# Altium PCB pcb_AGV_Control.PcbDoc (part 2 of 2) (continued)
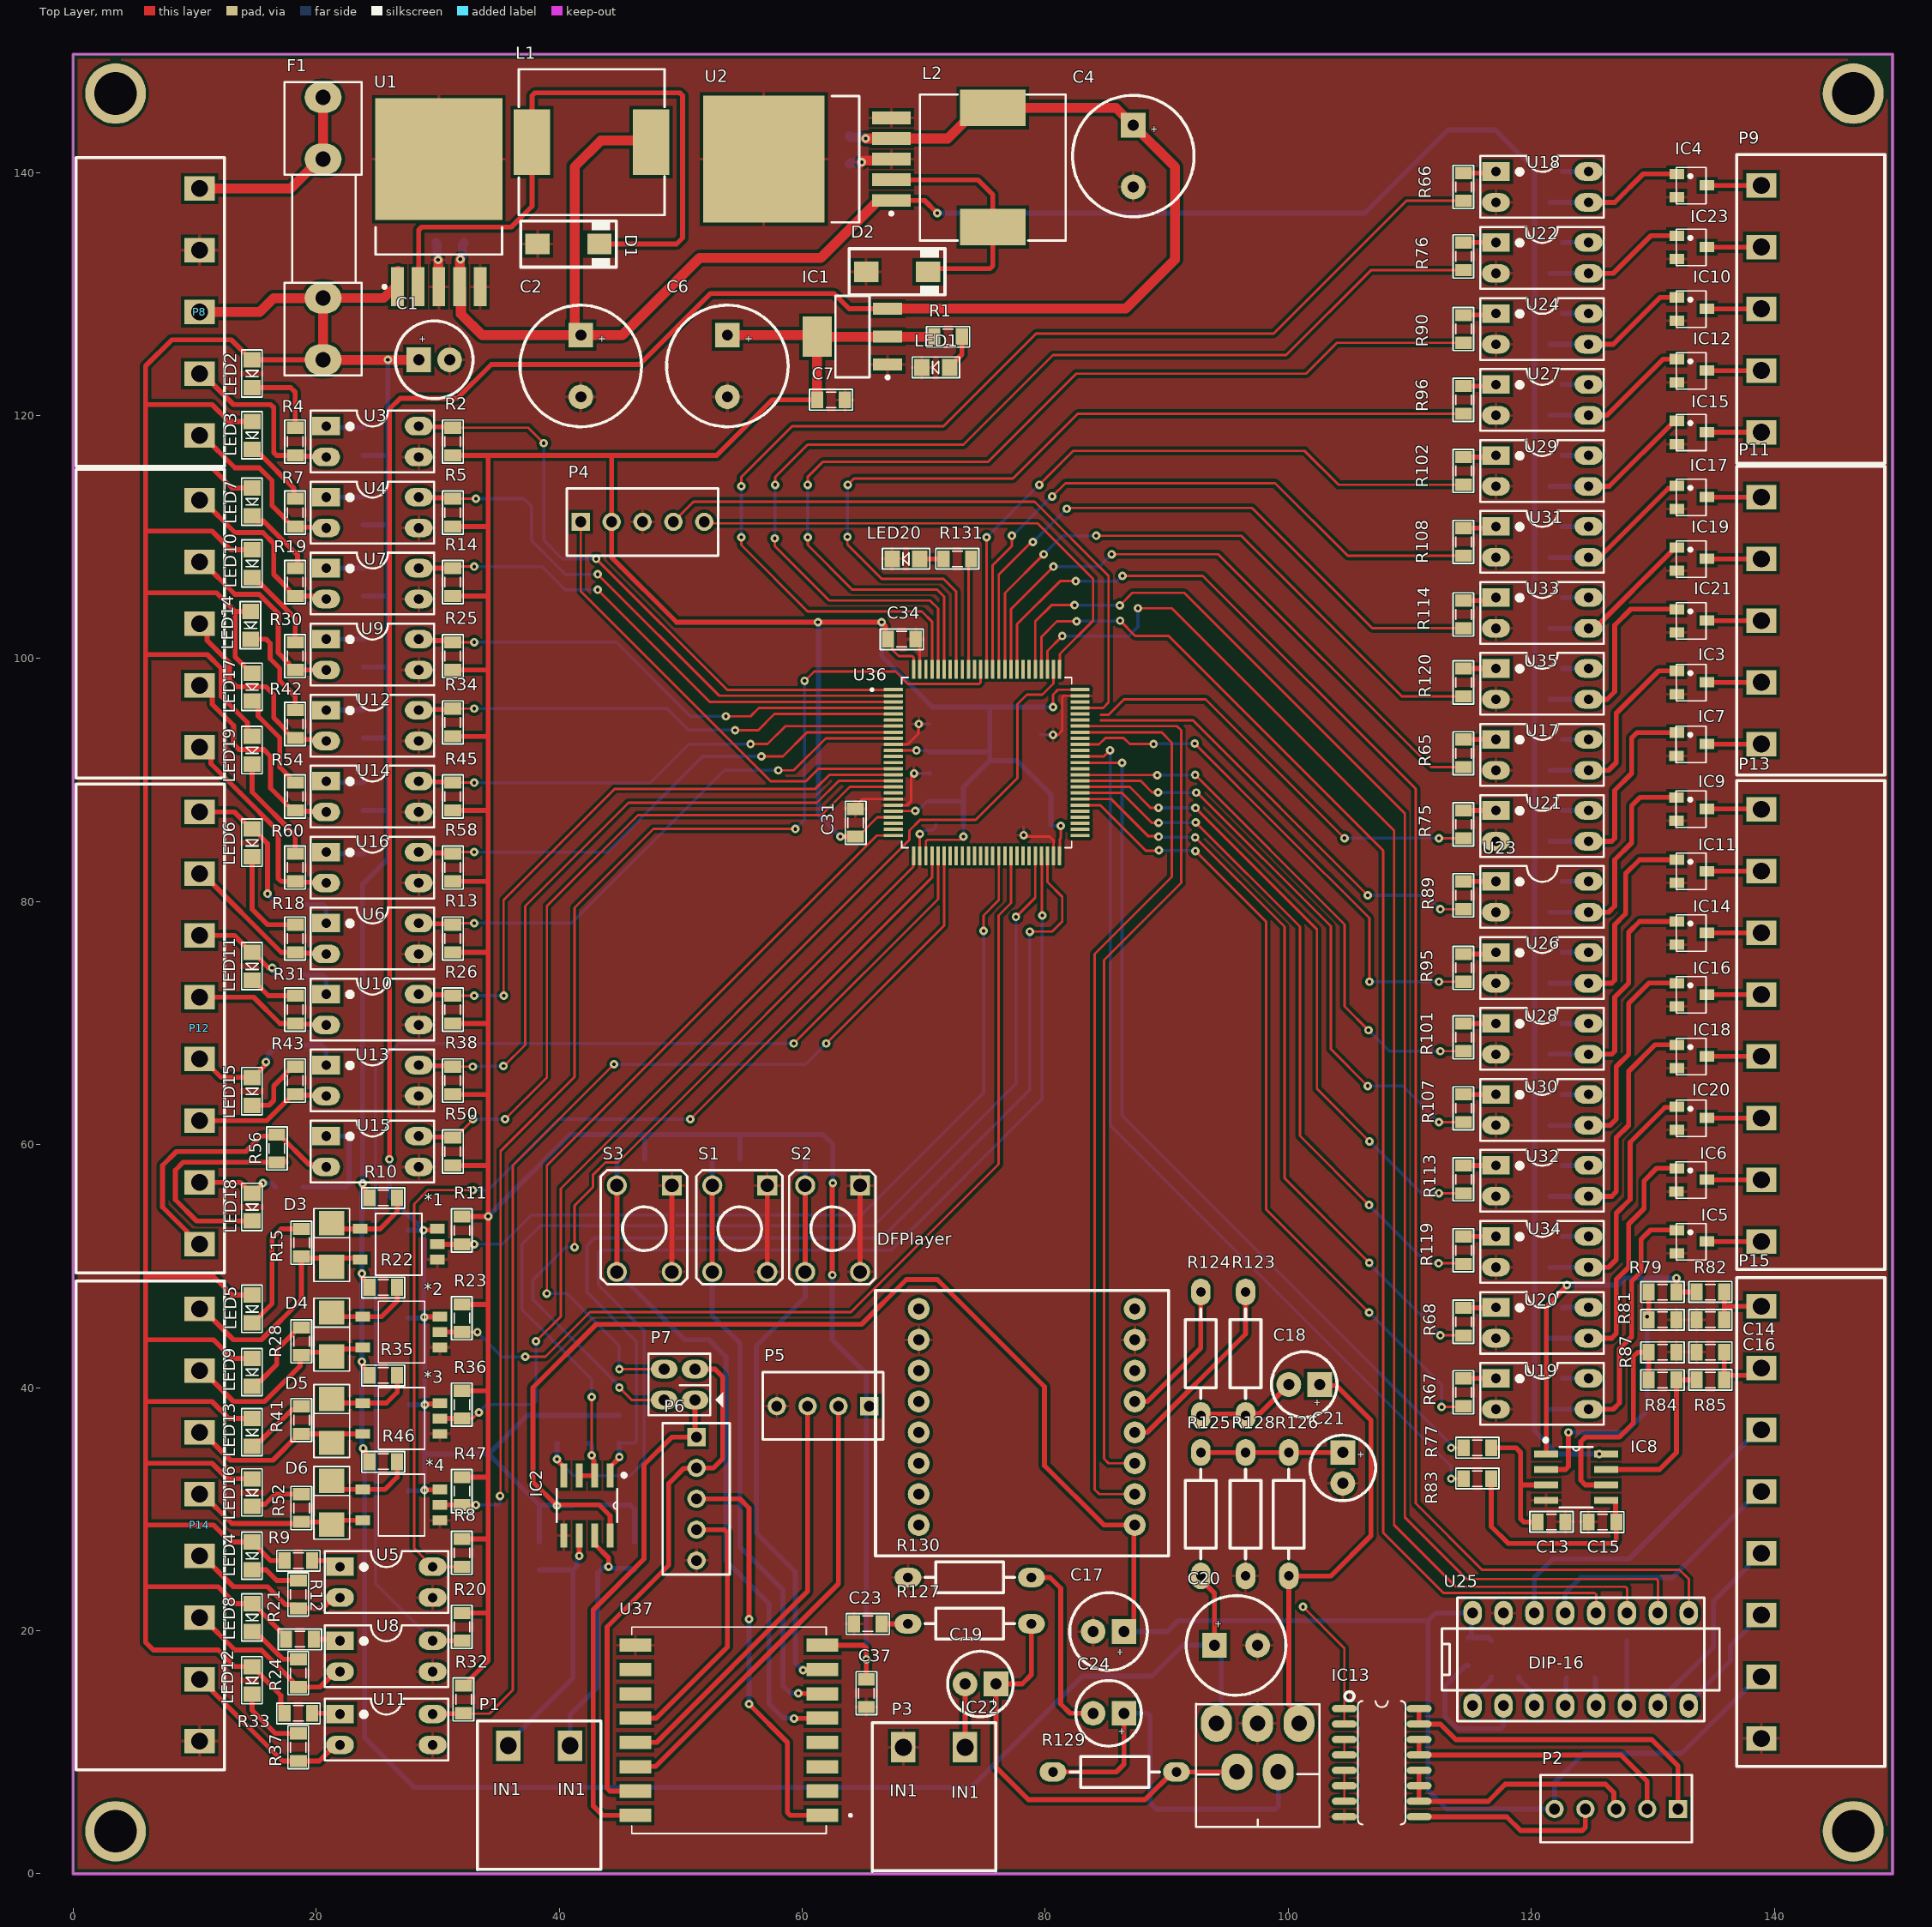
[diagram p0: Top Layer view]
## Nets (pads, with @x,y where several pads share a name; then routed paths per layer and width w, separated by ;. In a path a pad name is that pad's centre, name@x,y a point inside that pad or via, vN(x,y) a via of type N, cw(c..) or ccw(c..) an arc to the next point about the centre after c; other vN are vias at no path point) (continued)
  Top Layer w0.406: LED10.2@14.732,106.68 15.164,106.248 15.351,106.248 17.132,104.467 18.288,103.311 R30.1@18.288,101.346
NetLED11_2: LED11.2 R31.1 | length 4.1
  Top Layer w0.406: LED11.2@14.732,73.533 14.795,73.533 16.066,72.263 R31.1@18.288,72.263
NetLED12_2: LED12.2 R37.1 | length 5.9
  Top Layer w0.406: LED12.2@14.732,14.77 14.732,13.462 16.637,11.557 R37.1@18.542,11.557
NetLED13_2: LED13.2 R41.1 | length 5.4
  Top Layer w0.406: LED13.2@14.732,35.179 15.164,35.611 15.418,35.611 17.991,38.184 18.499,38.184 R41.1@18.796,38.481
NetLED14_2: LED14.2 R42.1 | length 8.1
  Top Layer w0.406: LED14.2@14.605,101.6 15.875,101.6 16.218,101.257 16.218,99.987 17.018,99.187 17.018,98.171 18.288,96.901 R42.1@18.288,95.758
NetLED15_2: LED15.2 R43.1 | length 5.6
  Top Layer w0.406: LED15.2@14.732,63.246 16.129,63.246 16.51,63.627 16.51,64.841 18.09,66.421 R43.1@18.288,66.421
NetLED16_2: LED16.2 R52.1 | length 4.5
  Top Layer w0.406: LED16.2@14.732,30.226 14.913,30.407 15.802,30.407 16.637,31.242 R52.1@18.796,31.242
NetLED17_2: LED17.2 R54.1 | length 8.4
  Top Layer w0.406: LED17.2@14.732,96.52 14.795,96.52 15.227,96.088 15.227,95.263 17.018,93.472 17.018,91.059 17.793,90.284 17.793,90.086 18.09,89.789 R54.1@18.288,89.789
NetLED18_2: LED18.2 R56.1 | length 18.4
  Top Layer w0.406: LED18.2@14.732,53.721 10.16,53.721 8.423,55.458 8.423,57.91 9.061,58.547 R56.1@16.764,58.547 ; R56.1@17.272,58.801 17.526,58.547
NetLED19_2: LED19.2 R60.1 | length 8.8
  Top Layer w0.406: LED19.2@14.732,91.313 14.732,89.027 18.288,85.471 R60.1@18.288,83.947
NetLED20_1: LED20.1 R131.2 | length 1.9
  Top Layer w0.406: LED20.1@69.684,108.204 R131.2@71.628,108.204
NetR3_2: R3.2 U3.1 | length 3.1
  Bottom Layer w0.406: U3.1@20.828,119.126 20.955,118.999 R3.2@23.876,118.999
NetR6_2: R6.2 U4.1 | length 3
  Bottom Layer w0.406: U4.1@20.828,113.284 R6.2@23.876,113.284
NetR9_2: R9.2 U5.1 | length 2.5
  Top Layer w0.406: R9.2@19.685,25.781 21.463,25.781 U5.1@21.971,25.273
NetR16_2: R16.2 U6.1 | length 3.3
  Bottom Layer w0.406: R16.2@18.923,79.756 20.59,79.756 20.828,79.518 U6.1@20.828,78.232
NetR17_2: R17.2 U7.1 | length 3.1
  Bottom Layer w0.406: U7.1@20.828,107.442 R17.2@23.901,107.442
NetR21_2: R21.2 U8.1 | length 2.2
  Top Layer w0.406: R21.2@19.812,19.304 21.844,19.304 U8.1@21.971,19.177
NetR27_2: R27.2 U9.1 | length 3.1
  Bottom Layer w0.406: U9.1@20.828,101.6 R27.2@23.901,101.6
NetR29_2: R29.2 U10.1 | length 3.3
  Bottom Layer w0.406: R29.2@18.923,74.041 19.05,73.914 20.59,73.914 20.828,73.676 U10.1@20.828,72.39
NetR33_2: R33.2 U11.1 | length 2.3
  Top Layer w0.406: R33.2@19.685,13.208 21.907,13.208 U11.1@21.971,13.144
NetR39_2: R39.2 U12.1 | length 3.1
  Bottom Layer w0.406: U12.1@20.828,95.758 R39.2@23.901,95.758
NetR40_2: R40.2 U13.1 | length 3.3
  Bottom Layer w0.406: R40.2@18.923,68.199 20.447,68.199 20.828,67.818 U13.1@20.828,66.548
NetR49_2: R49.2 U14.1 | length 3.1
  Bottom Layer w0.406: U14.1@20.828,89.916 20.955,89.789 R49.2@23.876,89.789
NetR51_2: R51.2 U15.1 | length 9.6
  Bottom Layer w0.406: R51.2@18.923,56.515 22.47,56.515 22.708,56.753 22.708,60.468 22.47,60.706 U15.1@20.828,60.706
NetR59_2: R59.2 U16.1 | length 3.1
  Bottom Layer w0.406: U16.1@20.828,84.074 20.955,83.947 R59.2@23.876,83.947
NetR61_2: R61.2 U17.4 | length 2.2
  Bottom Layer w0.406: R61.2@122.555,93.345 U17.4@124.714,93.345
NetR62_2: R62.2 U18.4 | length 2.2
  Bottom Layer w0.406: R62.2@122.555,140.081 U18.4@124.714,140.081
NetR63_2: R63.2 U19.4 | length 2.2
  Bottom Layer w0.406: R63.2@122.555,40.767 U19.4@124.714,40.767
NetR64_2: R64.2 U20.4 | length 2.2
  Bottom Layer w0.406: R64.2@122.555,46.569 122.595,46.609 U20.4@124.714,46.609
NetR65_1: R65.1 U17.1 | length 2.7
  Top Layer w0.406: R65.1@114.427,93.345 U17.1@117.094,93.345
NetR66_1: R66.1 U18.1 | length 2.7
  Top Layer w0.406: R66.1@114.427,139.954 116.967,139.954 U18.1@117.094,140.081
NetR67_1: R67.1 U19.1 | length 2.7
  Top Layer w0.406: R67.1@114.427,40.767 U19.1@117.094,40.767
NetR68_1: R68.1 U20.1 | length 2.7
  Top Layer w0.406: R68.1@114.427,46.569 117.054,46.569 U20.1@117.094,46.609
NetR73_2: R73.2 U21.4 | length 2.2
  Bottom Layer w0.406: R73.2@122.555,87.503 U21.4@124.714,87.503
NetR74_2: R74.2 U22.4 | length 2.2
  Bottom Layer w0.406: R74.2@122.555,134.239 U22.4@124.714,134.239
NetR75_1: R75.1 U21.1 | length 2.7
  Top Layer w0.406: R75.1@114.427,87.503 U21.1@117.094,87.503
NetR76_1: R76.1 U22.1 | length 2.7
  Top Layer w0.406: R76.1@114.427,134.239 U22.1@117.094,134.239
NetR86_2: R86.2 U23.4 | length 2.2
  Bottom Layer w0.406: R86.2@122.555,81.661 U23.4@124.714,81.661
NetR88_2: R88.2 U24.4 | length 2.2
  Bottom Layer w0.406: R88.2@122.555,128.397 U24.4@124.714,128.397
NetR89_1: R89.1 U23.1 | length 2.7
  Top Layer w0.406: R89.1@114.427,81.661 U23.1@117.094,81.661
NetR90_1: R90.1 U24.1 | length 2.7
  Top Layer w0.406: R90.1@114.427,128.27 116.967,128.27 U24.1@117.094,128.397
NetR93_2: R93.2 U26.4 | length 2.2
  Bottom Layer w0.406: R93.2@122.555,75.819 U26.4@124.714,75.819
NetR94_2: R94.2 U27.4 | length 2.2
  Bottom Layer w0.406: R94.2@122.555,122.555 U27.4@124.714,122.555
NetR95_1: R95.1 U26.1 | length 2.7
  Top Layer w0.406: R95.1@114.427,75.692 116.967,75.692 U26.1@117.094,75.819
NetR96_1: R96.1 U27.1 | length 2.7
  Top Layer w0.406: R96.1@114.427,122.428 116.967,122.428 U27.1@117.094,122.555
NetR99_2: R99.2 U28.4 | length 2.2
  Bottom Layer w0.406: R99.2@122.555,69.977 U28.4@124.714,69.977
NetR100_2: R100.2 U29.4 | length 2.2
  Bottom Layer w0.406: R100.2@122.555,116.713 U29.4@124.714,116.713
NetR101_1: R101.1 U28.1 | length 2.7
  Top Layer w0.406: R101.1@114.427,69.977 U28.1@117.094,69.977
NetR102_1: R102.1 U29.1 | length 2.7
  Top Layer w0.406: R102.1@114.427,116.586 116.967,116.586 U29.1@117.094,116.713
NetR105_2: R105.2 U30.4 | length 2.2
  Bottom Layer w0.406: R105.2@122.555,64.135 U30.4@124.714,64.135
NetR106_2: R106.2 U31.4 | length 2.2
  Bottom Layer w0.406: R106.2@122.555,110.871 U31.4@124.714,110.871
NetR107_1: R107.1 U30.1 | length 2.7
  Top Layer w0.406: R107.1@114.427,64.135 U30.1@117.094,64.135
NetR108_1: R108.1 U31.1 | length 2.7
  Top Layer w0.406: R108.1@114.427,110.744 116.967,110.744 U31.1@117.094,110.871
NetR111_2: R111.2 U32.4 | length 2.2
  Bottom Layer w0.406: R111.2@122.555,58.293 U32.4@124.714,58.293
NetR112_2: R112.2 U33.4 | length 2.2
  Bottom Layer w0.406: R112.2@122.555,105.029 U33.4@124.714,105.029
NetR113_1: R113.1 U32.1 | length 2.7
  Top Layer w0.406: R113.1@114.427,58.293 U32.1@117.094,58.293
NetR114_1: R114.1 U33.1 | length 2.8
  Top Layer w0.406: R114.1@114.427,104.775 116.84,104.775 U33.1@117.094,105.029
NetR117_2: R117.2 U34.4 | length 2.2
  Bottom Layer w0.406: R117.2@122.555,52.451 U34.4@124.714,52.451
NetR118_2: R118.2 U35.4 | length 2.2
  Bottom Layer w0.406: R118.2@122.555,99.187 U35.4@124.714,99.187
NetR119_1: R119.1 U34.1 | length 2.7
  Top Layer w0.406: R119.1@114.427,52.451 U34.1@117.094,52.451
NetR120_1: R120.1 U35.1 | length 2.7
  Top Layer w0.406: R120.1@114.427,99.187 U35.1@117.094,99.187
NetR132_2: R132.2 S1.2 U37.6 | length 49.3
  Top Layer w0.406: S1.2@52.603,49.53 S1.2@52.603,56.642 ; v1(59.69,14.859) 59.714,14.835 61.651,14.835 U37.6@61.675,14.811
  Bottom Layer w0.406: S1.2@52.603,49.53 52.603,45.949 54.864,43.688 54.864,26.924 58.42,23.368 58.42,15.494 59.055,14.859 v1(59.69,14.859) ; S1.2@52.603,56.642 R132.2@52.603,58.801
NetR133_2: R133.2 S2.2 U37.7 | length 47
  Top Layer w0.406: v1(60.071,16.764) 60.095,16.788 61.651,16.788 U37.7@61.675,16.811 ; S2.2@60.249,49.53 S2.2@60.249,56.642
  Bottom Layer w0.406: v1(60.071,16.764) 59.436,17.399 59.436,24.841 56.236,28.042 56.236,43.434 60.249,47.447 60.249,49.428 60.198,49.479 S2.2@60.249,49.53 ; S2.2@60.249,56.642 R133.2@60.249,58.801
NetR134_2: R134.2 S3.2 U37.5 | length 56.1
  Top Layer w0.406: S3.2@44.755,49.53 S3.2@44.755,56.642 ; v1(59.342,12.78) 59.358,12.796 61.66,12.796 U37.5@61.675,12.811
  Bottom Layer w0.406: S3.2@44.755,49.53 50.343,43.942 52.324,43.942 53.721,42.545 53.721,25.781 57.277,22.225 57.277,13.97 58.431,12.816 59.307,12.816 v1(59.342,12.78) ; S3.2@44.755,56.642 R134.2@44.755,58.801
NRST: P4.1 U36.14 | length 38.3
  Top Layer w0.203: P4.1@41.783,111.252 41.783,105.537 57.404,89.916 60.325,89.916 61.349,90.94 U36.14@67.504,90.94
OUT1: R66.2 U36.97 | length 96.7
  Top Layer w0.203: v1(54.991,109.982) 54.991,109.347 60.452,103.886 69.85,103.886 70.684,103.052 U36.97@70.684,99.12 ; v1(54.991,114.173) 54.991,114.935 59.182,119.126 71.628,119.126 79.248,126.746 98.806,126.746 109.728,137.668 R66.2@114.427,137.668
  Bottom Layer w0.254: v1(54.991,109.982) v1(54.991,114.173)
OUT2: R76.2 U36.96 | length 89.9
  Top Layer w0.203: v1(57.749,109.896) 57.749,109.256 62.23,104.775 70.528,104.775 71.184,104.119 U36.96@71.184,99.12 ; v1(57.785,114.3) 57.785,114.935 60.452,117.602 73.279,117.602 80.645,124.968 99.822,124.968 106.807,131.953 R76.2@114.427,131.953
  Bottom Layer w0.254: v1(57.749,109.896) 57.767,109.914 57.767,114.282 v1(57.785,114.3)
OUT3: R90.2 U36.95 | length 83.1
  Top Layer w0.203: v1(60.452,114.3) 60.452,114.935 61.722,116.205 75.311,116.205 82.55,123.444 101.473,123.444 104.013,125.984 R90.2@114.427,125.984 ; v1(60.456,109.983) 60.456,109.343 64.135,105.664 71.12,105.664 71.684,105.1 U36.95@71.684,99.12
  Bottom Layer w0.254: v1(60.452,114.3) 60.454,114.298 60.454,109.985 v1(60.456,109.983)
OUT4: R96.2 U36.93 | length 75
  Top Layer w0.203: v1(63.725,110.023) 63.725,109.376 66.548,106.553 71.628,106.553 72.684,105.497 U36.93@72.684,99.12 ; v1(63.754,114.3) 64.262,114.808 77.343,114.808 82.677,120.142 R96.2@114.427,120.142
  Bottom Layer w0.254: v1(63.725,110.023) 63.739,110.038 63.739,114.285 v1(63.754,114.3)
OUT5: R102.2 U36.88 | length 54.2
  Top Layer w0.203: U36.88@75.184,99.12 v1(75.184,109.982) ; v1(79.514,114.3) 82.308,117.094 101.346,117.094 104.14,114.3 R102.2@114.427,114.3
  Bottom Layer w0.254: v1(75.184,109.982) 75.19,109.982 79.508,114.3 v1(79.514,114.3)
OUT6: R108.2 U36.87 | length 53.1
  Top Layer w0.203: U36.87@75.684,99.12 75.684,107.688 77.258,109.262 v1(77.258,110.113) ; v1(80.58,113.347) 81.66,114.427 98.933,114.427 104.902,108.458 R108.2@114.427,108.458
  Bottom Layer w0.254: v1(77.258,110.113) 77.302,110.113 80.536,113.347 v1(80.58,113.347)
OUT7: R114.2 U36.86 | length 52.4
  Top Layer w0.203: U36.86@76.184,99.12 76.184,106.918 78.867,109.601 v1(78.994,109.601) ; v1(81.782,112.33) 81.841,112.388 82.047,112.388 82.054,112.395 97.028,112.395 106.934,102.489 R114.2@114.427,102.489
  Bottom Layer w0.254: v1(78.994,109.601) 79.024,109.601 81.753,112.33 v1(81.782,112.33)
OUT8: R120.2 U36.85 | length 51.4
  Top Layer w0.203: U36.85@76.684,99.12 76.684,105.386 v1(79.883,108.585) ; v1(84.201,110.109) 96.139,110.109 109.347,96.901 R120.2@114.427,96.901
  Bottom Layer w0.254: v1(79.883,108.585) 81.407,110.109 v1(84.201,110.109)
OUT9: R65.2 U36.84 | length 51.3
  Top Layer w0.203: U36.84@77.184,99.12 77.184,104.074 v1(80.679,107.569) ; v1(85.471,108.585) 94.234,108.585 111.76,91.059 R65.2@114.427,91.059
  Bottom Layer w0.254: v1(80.679,107.569) 84.455,107.569 v1(85.471,108.585)
OUT10: R75.2 U36.71 | length 35.1
  Top Layer w0.203: 84.582,95.385 85.225,95.385 86.487,96.647 93.208,96.647 v1(104.632,85.223) ; v1(112.395,85.217) R75.2@114.427,85.217
  Bottom Layer w0.254: v1(104.632,85.223) 104.635,85.22 112.392,85.22 v1(112.395,85.217)
OUT11: R89.2 U36.70 | length 36.3
  Top Layer w0.203: 84.582,94.928 92.143,94.928 v1(106.553,80.518) ; v1(112.522,79.375) R89.2@114.427,79.375
  Bottom Layer w0.254: v1(106.553,80.518) 111.379,80.518 v1(112.522,79.375)
OUT12: R95.2 U36.66 | length 43.2
  Top Layer w0.203: U36.66@82.864,92.94 84.431,92.94 84.963,93.472 86.457,93.472 86.964,92.965 v1(88.922,92.965) ; v1(92.308,93.013) 99.464,85.857 106.68,78.641 v1(106.68,73.406) ; v1(112.395,73.406) R95.2@114.427,73.406
  Bottom Layer w0.254: v1(88.922,92.965) 88.946,92.989 92.284,92.989 v1(92.308,93.013) ; v1(106.68,73.406) v1(112.395,73.406)
OUT13: R101.2 U36.61 | length 45
  Top Layer w0.203: U36.61@82.864,90.44 82.886,90.418 89.195,90.418 v1(89.217,90.396) ; v1(92.341,90.424) 104.648,78.117 104.648,71.376 v1(106.603,69.42) ; v1(112.522,67.691) R101.2@114.427,67.691
  Bottom Layer w0.254: v1(89.217,90.396) 89.231,90.41 92.327,90.41 v1(92.341,90.424) ; v1(106.603,69.42) 108.333,67.691 v1(112.522,67.691)
OUT14: R107.2 U36.60 | length 49.1
  Top Layer w0.203: U36.60@82.864,89.94 87.86,89.94 88.806,88.994 v1(89.285,88.994) ; v1(92.429,88.972) 92.511,88.972 103.505,77.978 103.505,67.869 v1(106.547,64.827) ; v1(112.395,61.849) R107.2@114.427,61.849
  Bottom Layer w0.254: v1(89.285,88.994) 89.296,88.983 92.418,88.983 v1(92.429,88.972) ; v1(106.547,64.827) 109.417,64.827 v1(112.395,61.849)
OUT15: R113.2 U36.59 | length 53.1
  Top Layer w0.203: U36.59@82.864,89.44 86.963,89.44 88.676,87.727 v1(89.33,87.727) ; v1(92.375,87.703) 102.362,77.717 102.362,64.607 v1(106.693,60.275) ; v1(112.395,56.007) R113.2@114.427,56.007
  Bottom Layer w0.254: v1(89.33,87.727) 89.342,87.715 92.363,87.715 v1(92.375,87.703) ; v1(106.693,60.275) 108.023,58.946 110.962,56.007 v1(112.395,56.007)
OUT16: R119.2 U36.58 | length 57.7
  Top Layer w0.203: U36.58@82.864,88.94 86.32,88.94 88.777,86.483 v1(89.341,86.483) ; v1(92.385,86.517) 100.965,77.937 100.965,60.723 v1(106.657,55.031) ; v1(112.382,50.232) 114.36,50.232 R119.2@114.427,50.165
  Bottom Layer w0.254: v1(89.341,86.483) 89.358,86.5 92.369,86.5 v1(92.385,86.517) ; v1(106.657,55.031) 111.456,50.232 v1(112.382,50.232)
OUT17: R68.2 U36.57 | length 62
  Top Layer w0.203: U36.57@82.864,88.44 85.423,88.44 88.463,85.4 89.283,85.4 v1(89.341,85.341) ; v1(92.343,85.284) 99.695,77.932 99.695,57.248 v1(106.67,50.274) ; v1(112.52,44.306) 114.404,44.306 R68.2@114.427,44.283
  Bottom Layer w0.254: v1(89.341,85.341) 89.37,85.313 92.314,85.313 v1(92.343,85.284) ; v1(106.67,50.274) 106.67,50.215 112.52,44.364 v1(112.52,44.306)
OUT18: R67.2 U36.56 | length 67.1
  Top Layer w0.203: U36.56@82.864,87.94 84.526,87.94 88.265,84.201 89.337,84.201 v1(89.356,84.22) ; v1(92.362,84.167) 98.171,78.359 98.171,54.681 v1(106.663,46.189) ; v1(112.624,38.414) 114.36,38.414 R67.2@114.427,38.481
  Bottom Layer w0.254: v1(89.356,84.22) 89.382,84.193 92.336,84.193 v1(92.362,84.167) ; v1(106.663,46.189) 112.624,40.227 v1(112.624,38.414)
Output1: IC4.2 P9.1 | length 4.5
  Top Layer w0.406: IC4.2@134.473,138.938 P9.1@138.938,138.938
Output2: IC23.2 P9.2 | length 4.5
  Top Layer w0.406: IC23.2@134.473,133.858 P9.2@138.938,133.858
Output3: IC10.2 P9.3 | length 4.5
  Top Layer w0.406: IC10.2@134.473,128.778 P9.3@138.938,128.778
Output4: IC12.2 P9.4 | length 4.5
  Top Layer w0.406: IC12.2@134.473,123.698 P9.4@138.938,123.698
Output5: IC15.2 P9.5 | length 4.5
  Top Layer w0.406: IC15.2@134.473,118.618 P9.5@138.938,118.618
Output6: IC17.2 P11.1 | length 4.5
  Top Layer w0.406: IC17.2@134.473,113.284 P11.1@138.938,113.284
Output7: IC19.2 P11.2 | length 4.5
  Top Layer w0.406: IC19.2@134.473,108.204 P11.2@138.938,108.204
Output8: IC21.2 P11.3 | length 4.5
  Top Layer w0.406: IC21.2@134.473,103.124 P11.3@138.938,103.124
Output9: IC3.2 P11.4 | length 4.5
  Top Layer w0.406: IC3.2@134.473,98.044 P11.4@138.938,98.044
Output10: IC7.2 P11.5 | length 4.5
  Top Layer w0.406: IC7.2@134.468,92.964 P11.5@138.938,92.964
Output11: IC9.2 P13.1 | length 4.5
  Top Layer w0.406: IC9.2@134.462,87.63 138.898,87.63 P13.1@138.938,87.59
Output12: IC11.2 P13.2 | length 4.5
  Top Layer w0.406: IC11.2@134.473,82.51 P13.2@138.938,82.51
Output13: IC14.2 P13.3 | length 4.5
  Top Layer w0.406: IC14.2@134.473,77.43 P13.3@138.938,77.43
Output14: IC16.2 P13.4 | length 4.5
  Top Layer w0.406: IC16.2@134.473,72.35 P13.4@138.938,72.35
Output15: IC18.2 P13.5 | length 4.5
  Top Layer w0.406: IC18.2@134.473,67.27 P13.5@138.938,67.27
Output16: IC20.2 P13.6 | length 4.5
  Top Layer w0.406: IC20.2@134.473,62.19 P13.6@138.938,62.19
Output17: IC6.2 P13.7 | length 4.5
  Top Layer w0.406: IC6.2@134.468,57.11 P13.7@138.938,57.11
Output18: IC5.2 P13.8 | length 4.5
  Top Layer w0.406: IC5.2@134.473,52.03 P13.8@138.938,52.03
PB0: IC13.3 IC13.4 | length 1.3
  Top Layer w0.203: IC13.4@104.621,9.779 IC13.3@104.621,11.049
PB1: IC13.5 IC13.6 IC13.7 | length 2.5
  Top Layer w0.203: IC13.7@104.621,5.969 IC13.6@104.621,7.239 IC13.5@104.621,8.509
PB5: R131.1 U36.91 | length 9.2
  Top Layer w0.203: U36.91@73.684,99.12 73.684,107.974 R131.1@73.914,108.204
PC5: IC13.1 IC13.2 | length 11.1
  Top Layer w0.203: v1(101.219,21.971) 104.621,18.569 IC13.1@104.621,13.589 IC13.2@104.621,12.319
RFID_RX: P15.5 U25.7 | length 16.2
  Bottom Layer w0.406: U25.7@130.422,13.841 130.422,14.091 135.001,18.671 135.001,22.439 137.891,25.329 137.891,25.579 138.688,26.376 P15.5@138.938,26.376
RFID_TX: P15.6 U25.8 | length 10.1
  Bottom Layer w0.406: U25.8@132.962,13.841 132.962,14.091 136.398,17.528 136.398,18.756 137.891,20.249 137.891,20.499 138.688,21.296 P15.6@138.938,21.296
RST: P6.3 U37.1 | length 34
  Top Layer w0.406: P6.3@51.308,30.861 54.864,30.861 55.626,30.099 v1(55.626,20.955) ; v1(55.626,13.97) 58.786,10.81 58.786,5.049 59.024,4.811 U37.1@61.675,4.811
  Bottom Layer w0.406: v1(55.626,13.97) v1(55.626,20.955)
RXD0: P6.2 P7.2 U37.15 | length 44.2
  Top Layer w0.406: U37.15@46.275,6.811 44.18,6.811 43.942,7.049 43.942,20.32 49.022,25.4 49.022,32.131 50.245,33.354 51.261,33.354 P6.2@51.308,33.401 52.705,33.401 53.467,34.163 53.467,40.894 52.832,41.529 P7.2@51.181,41.529
SWCLK: P4.5 U36.76 | length 42.5
  Top Layer w0.203: P4.5@51.943,111.252 52.07,111.125 79.375,111.125 83.947,106.553 83.947,103.124 81.216,100.393 81.216,99.152 U36.76@81.184,99.12
SWDIO: P4.4 U36.72 | length 52
  Top Layer w0.203: P4.4@49.403,111.252 51.054,112.903 79.121,112.903 85.217,106.807 85.217,96.393 84.764,95.94 U36.72@82.864,95.94
TIM1_CH1: *1.5 R11.2 U36.40 | length 70.1
  Top Layer w0.203: v1(74.93,77.597) 74.93,78.867 76.184,80.121 U36.40@76.184,83.76
  Top Layer w0.406: *1.5@29.972,51.803 R11.2@32.004,51.803 32.006,51.805 v1(33.01,51.806) v1(33.01,51.806)
  Bottom Layer w0.254: v1(33.01,51.806) 35.319,51.806 37.719,54.207 64.875,54.207 74.93,64.262 v1(74.93,77.597)
TIM1_CH2: *2.5 R23.2 U36.42 | length 79.2
  Top Layer w0.203: R23.2@32.004,44.577 v1(33.274,44.577) ; v1(37.211,42.545) 38.862,42.545 42.545,46.228 64.008,46.228 76.175,58.395 76.175,78.869 77.184,79.878 U36.42@77.184,83.76
  Top Layer w0.406: *2.5@30.201,44.577 R23.2@32.004,44.577
  Bottom Layer w0.254: v1(33.274,44.577) 35.306,42.545 v1(37.211,42.545)
TIM2_CH1: *3.5 R36.2 U36.77 | length 89.8
  Top Layer w0.203: R36.2@32.004,37.465 32.893,37.465 v1(33.401,37.973) ; v1(38.1,43.815) 40.132,45.847 40.132,56.388 68.834,85.09 68.834,85.852 69.723,86.741 74.295,86.741 77.724,90.17 77.724,96.266 78.486,97.028 79.756,97.028 80.684,97.956 U36.77@80.684,99.12
  Top Layer w0.406: *3.5@30.201,37.465 R36.2@32.004,37.465
  Bottom Layer w0.254: v1(33.401,37.973) 34.036,38.608 37.824,38.608 38.1,38.884 v1(38.1,43.815)
TIM2_CH2: *4.5 R47.2 U36.89 | length 106.3
  Top Layer w0.203: R47.2@32.004,30.353 v1(33.147,30.353) ; v1(35.143,31.099) 35.179,31.135 35.179,59.473 41.275,65.569 41.275,79.502 47.752,85.979 v1(59.436,85.979) ; v1(60.198,98.171) 60.226,98.171 60.988,98.933 67.691,98.933 68.707,97.917 74.565,97.917 74.684,98.036 U36.89@74.684,99.12
  Top Layer w0.406: *4.5@30.201,30.353 R47.2@32.004,30.353
  Bottom Layer w0.254: v1(33.147,30.353) 34.994,30.353 35.143,30.502 v1(35.143,31.099) ; v1(59.436,85.979) 60.198,86.741 v1(60.198,98.171)
TIM3_CH1: R77.2 U36.63 | length 72.1
  Top Layer w0.203: U36.63@82.864,91.44 82.873,91.431 86.317,91.431 v1(86.326,91.422) ; v1(113.411,35.052) R77.2@114.427,35.052
  Bottom Layer w0.254: v1(86.326,91.422) 86.326,62.391 113.362,35.355 113.362,35.101 v1(113.411,35.052)
TIM3_CH2: R83.2 U36.64 | length 75.3
  Top Layer w0.203: U36.64@82.864,91.94 84.828,91.94 v1(85.344,92.456) ; v1(113.411,32.512) R83.2@114.427,32.512
  Bottom Layer w0.254: v1(85.344,92.456) 85.344,61.595 113.411,33.528 v1(113.411,32.512)
TXD0: P6.1 P7.1 U37.16 | length 42
  Top Layer w0.406: U37.16@46.275,4.811 43.576,4.811 42.799,5.588 42.799,21.717 46.99,25.908 46.99,33.655 49.276,35.941 P6.1@51.308,35.941 51.181,36.068 P7.1@51.181,38.989
UART1_RX: DFPlayer.3 U36.69 | length 73.7
  Top Layer w0.203: U36.69@82.864,94.44 90.853,94.44 91.186,94.107 91.186,81.534 84.836,75.184 84.836,34.163 85.217,33.782 DFPlayer.3@87.376,33.782
UART1_TX: DFPlayer.2 U36.68 | length 75.5
  Top Layer w0.203: U36.68@82.864,93.94 89.575,93.94 90.424,93.091 90.424,82.042 84.074,75.692 84.074,31.623 84.455,31.242 DFPlayer.2@87.376,31.242
UART2_RX: P7.4 U36.26 | length 64.8
  Top Layer w0.203: v1(41.275,51.562) 41.275,54.991 42.799,56.515 42.799,57.531 43.815,58.547 44.831,58.547 69.152,82.868 69.152,83.728 U36.26@69.184,83.76 ; v1(44.958,40.005) 45.974,38.989 P7.4@48.641,38.989
  Bottom Layer w0.254: v1(41.275,51.562) 40.535,51.562 37.846,48.873 37.846,47.244 39.702,45.388 44.831,40.259 44.831,40.201 44.958,40.074 v1(44.958,40.005)
UART2_TX: P7.3 U36.25 | length 63.6
  Top Layer w0.203: v1(38.989,47.752) 38.989,58.293 66.136,85.44 U36.25@67.504,85.44 ; v1(44.958,41.529) P7.3@48.641,41.529
  Bottom Layer w0.254: v1(38.989,47.752) 40.64,47.752 44.909,43.483 44.909,41.578 v1(44.958,41.529)
UART3_RX: IC2.1 R48.2 U36.48 | length 86
  Top Layer w0.203: v1(78.727,77.533) 80.581,77.533 81.407,78.359 81.407,80.391 80.184,81.614 U36.48@80.184,83.76
  Top Layer w0.406: IC2.1@44.196,32.766 44.196,33.477 44.958,34.239 v1(44.958,34.29)
  Bottom Layer w0.254: R48.2@44.933,35.433 46.206,35.433 46.355,35.582 46.355,43.815 42.291,47.879 42.291,51.689 42.926,52.324 66.548,52.324 78.727,64.503 v1(78.727,77.533)
  Bottom Layer w0.406: R48.2@44.933,35.433 44.958,35.408 v1(44.958,34.29)
UART3_TX: IC2.4 R135.2 U36.47 | length 91.7
  Top Layer w0.203: U36.47@79.684,83.76 79.72,83.724 79.72,78.903 v1(79.756,78.867)
  Top Layer w0.406: v1(39.827,34.112) 39.827,34.036 40.386,33.477 IC2.4@40.386,32.766
  Bottom Layer w0.254: v1(39.827,34.112) 41.173,32.766 45.847,32.766 46.99,33.909 46.99,44.704 43.236,48.458 43.236,51.159 43.385,51.308 67.31,51.308 79.756,63.754 v1(79.756,78.867)
  Bottom Layer w0.406: v1(39.827,34.112) 39.827,35.408 R135.2@39.853,35.433
UART4_RX: U25.12 U36.79 | length 116.5
  Top Layer w0.203: U36.79@79.684,99.12 79.684,101.782 80.973,103.071 v1(82.585,103.071) ; v1(86.169,103.116) 87.431,101.854 90.17,101.854 107.823,84.201 107.823,28.067 112.776,23.114 125.222,23.114 125.342,22.995 U25.12@125.342,21.461
  Bottom Layer w0.254: v1(82.585,103.071) 82.608,103.093 86.147,103.093 v1(86.169,103.116)
UART4_TX: U25.11 U36.78 | length 120.5
  Top Layer w0.203: U36.78@80.184,99.12 80.184,100.631 v1(81.407,101.854) ; v1(87.63,104.14) 90.424,104.14 108.712,85.852 108.712,28.702 113.792,23.622 127.762,23.622 127.882,23.503 U25.11@127.882,21.461
  Bottom Layer w0.254: v1(81.407,101.854) 86.868,101.854 87.63,102.616 v1(87.63,104.14)
UART5_RX: U25.9 U36.83 | length 132.1
  Top Layer w0.203: U36.83@77.684,99.12 77.684,102.83 81.224,106.37 v1(82.515,106.37) ; v1(86.36,106.807) 92.964,106.807 110.49,89.281 110.49,30.48 115.951,25.019 132.207,25.019 132.962,24.264 U25.9@132.962,21.461
  Bottom Layer w0.254: v1(82.515,106.37) 85.899,106.37 86.336,106.807 v1(86.36,106.807)
UART5_TX: U25.10 U36.80 | length 126.5
  Top Layer w0.203: U36.80@79.184,99.12 79.184,103.06 80.518,104.394 v1(82.423,104.394) ; v1(86.141,104.38) 87.171,105.41 91.44,105.41 109.601,87.249 109.601,29.337 114.681,24.257 130.31,24.257 130.429,24.138 130.429,21.708 130.302,21.581 U25.10@130.422,21.461
  Bottom Layer w0.254: v1(82.423,104.394) 82.43,104.387 86.134,104.387 v1(86.141,104.38)
pads on no net: DFPlayer.6 DFPlayer.8 DFPlayer.9 DFPlayer.11 DFPlayer.12 DFPlayer.13 DFPlayer.14 DFPlayer.15 DFPlayer.16 U36.6 U36.12 U36.13 U36.18 U36.23 U36.24 U36.32 U36.33 U36.34 U36.35 U36.36 U36.37 U36.38 U36.39 U36.41 U36.43 U36.44 U36.45 U36.51 U36.52 U36.53 U36.54 U36.55 U36.62 U36.65 U36.67 U36.73 U36.81 U36.82 U36.90 U36.92 U36.94 U36.98 U37.2 U37.3 U37.4 U37.10 U37.11

## Polygon pours and split planes (outlines as drawn)
GND on Bottom Layer "GND_L02_P001" (solid, remove dead copper, pour order 1): 0,149.733 0,0 149.733,0 149.733,149.733
GND on Top Layer "GND_L01_P000" (solid, remove dead copper, pour order 0): 0,149.733 0,0 149.733,0 149.733,149.733

## Keep-outs
Keep-Out Layer:
  lines w0.254: 0,0 149.733,0 149.733,149.733 0,149.733 0,0

## Silkscreen, mask and mechanical layers (free items; w line width, h text height)
Top Overlay:
  text "IN1" at 34.544,6.477 h1.02
  text "IN1" at 39.878,6.477 h1.02
  text "IN1" at 67.183,6.35 h1.02
  text "IN1" at 72.263,6.223 h1.02
Bottom Overlay:
  text "OUT1" at 146.501,138.221 h1.02
  text "24V_IN" at 6.985,138.091 h1.02
  text "OUT2" at 146.501,133.188 h1.02
  text "GND" at 6.985,132.969 h1.02
  text "OUT3" at 146.501,128.154 h1.02
  text "24V" at 6.985,127.762 h1.02
  text "OUT4" at 146.532,123.121 h1.02
  text "IN1" at 7.112,122.682 h1.02
  text "OUT5" at 146.558,118.11 h1.02
  text "IN2" at 7.112,117.729 h1.02
  text "OUT6" at 146.626,112.582 h1.02
  text "IN3" at 6.858,112.395 h1.02
  text "OUT7" at 146.626,107.549 h1.02
  text "IN4" at 6.985,107.315 h1.02
  text "OUT8" at 146.626,102.516 h1.02
  text "IN5" at 7.112,102.108 h1.02
  text "OUT9" at 146.626,97.451 h1.02
  text "IN6" at 7.239,97.155 h1.02
  text "OUT10" at 146.685,92.456 h1.02
  text "IN7" at 7.239,92.075 h1.02
  text "OUT11" at 146.784,86.787 h1.02
  text "IN8+" at 7.366,86.741 h1.02
  text "IN8-" at 7.493,81.788 h1.02
  text "OUT12" at 146.784,81.753 h1.02
  text "IN9+" at 7.493,76.708 h1.02
  text "OUT13" at 146.784,76.72 h1.02
  text "OUT14" at 146.784,71.687 h1.02
  text "IN9-" at 7.493,71.628 h1.02
  text "OUT15" at 146.784,66.622 h1.02
  text "IN10+" at 7.493,66.421 h1.02
  text "IN10-" at 7.62,61.595 h1.02
  text "OUT16" at 146.784,61.589 h1.02
  text "OUT17" at 146.685,56.515 h1.02
  text "IN11+" at 7.874,56.134 h1.02
  text "OUT18" at 146.812,51.435 h1.02
  text "IN11-" at 7.747,51.181 h1.02
  text "ENC1A" at 7.62,45.847 h1.02
  text "AN1" at 146.721,45.859 h1.02
  text "ENC1B" at 7.62,40.894 h1.02
  text "AN2" at 146.721,40.826 h1.02
  text "HMI_RX" at 147.828,36.11 h1.02
  text "ENC2A" at 7.62,36.068 h1.02
  text "HMI_TX" at 147.828,31.157 h1.02
  text "ENC2B" at 7.747,31.115 h1.02
  text "RFID_RX" at 147.447,25.95 h1.02
  text "LIDAR1" at 7.62,25.654 h1.02
  text "RFID_TX" at 147.32,20.87 h1.02
  text "LIDAR2" at 7.747,20.701 h1.02
  text "5V" at 146.721,15.66 h1.02
  text "LIDAR3" at 7.874,15.367 h1.02
  text "GND" at 146.812,10.668 h1.02
  text "GND" at 8.128,10.414 h1.02

## Text inside footprints (layer, text, board x,y; h text height)
C1: Top Overlay "+" at 29.235,125.959 h1.02 r90
C2: Top Overlay "+" at 43.18,125.832 h1.02
C4: Top Overlay "+" at 88.646,143.104 h1.02
C6: Top Overlay "+" at 55.245,125.832 h1.02
C17: Top Overlay "+" at 85.7,18.567 h1.02 r270
C18: Top Overlay "+" at 101.954,39.116 h1.02 r270
C19: Top Overlay "+" at 75.311,14.478 h1.02 r270
C20: Top Overlay "+" at 94.718,20.193 h1.02 r90
C21: Top Overlay "+" at 105.637,34.036 h1.02
C24: Top Overlay "+" at 85.852,12.065 h1.02 r270
U25: Top Overlay "DIP-16" at 119.754,16.889 h1.02